# KiCad board mtr_led_system_map.kicad_pcb (continued)
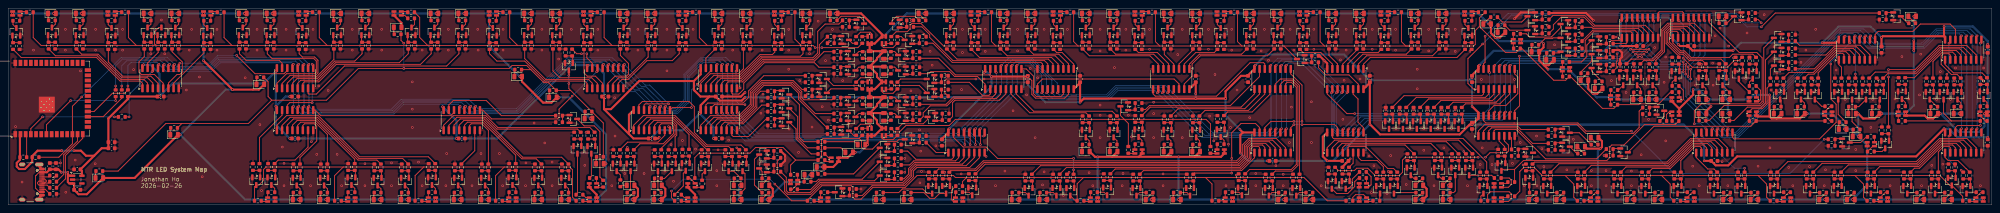
[diagram p0: board, top side]
## Routing (per net, layer and track width the routed paths; a pad name or vN(x,y) marks a point on that pad's centre or on a via; arc(x,y) is an arc through that point) (continued)
Net-(D_KTL_TIK_YAT1-K): length 1.7
  Top w0.2: D_KTL_TIK_YAT1.1 419.46,27.49 R239.2
Net-(D_KTL_WHA1-K1): length 1.4
  Top w0.2: R65.2 295.8,14.82 D_KTL_WHA1.2
Net-(D_KTL_WHA1-K2): length 1.6
  Top w0.2: D_KTL_WHA1.3 294.25,12.62 294.2,12.67
Net-(D_KTL_WHA_HOM1-K): length 1.7
  Top w0.2: R79.2 289.76,14.69 D_KTL_WHA_HOM1.1
Net-(D_KTL_WTS1-K1): length 1.4
  Top w0.2: R33.2 297.6,45.27 D_KTL_WTS1.2
Net-(D_KTL_WTS1-K2): length 1.6
  Top w0.2: R47.2 299,47.47 D_KTL_WTS1.3
Net-(D_KTL_WTS_DIH1-K): length 1.7
  Top w0.2: D_KTL_WTS_DIH1.1 302.96,45.41 R46.2
Net-(D_KTL_WTS_LOF1-K): length 1.7
  Top w0.2: D_KTL_WTS_LOF1.1 289.76,45.41 R48.2
Net-(D_KTL_YAT1-K1): length 4.9
  Top w0.2: D_KTL_YAT1.2 409.42,25.42 409.9,25.9 409.9,28.12 R227.2
Net-(D_KTL_YAT1-K2): length 1.4
  Top w0.2: D_KTL_YAT1.3 408.9,27.62 R241.2
Net-(D_KTL_YAT_LAT1-K): length 1.7
  Top w0.2: R242.2 401.46,27.49 D_KTL_YAT_LAT1.1
Net-(D_KTL_YAT_TIK1-K): length 1.7
  Top w0.2: R240.2 413.66,27.49 D_KTL_YAT_TIK1.1
Net-(D_KTL_YMT1-K1): length 5
  Top w0.2: D_KTL_YMT1.2 213.83,16.37 214.2,16 216.53,16 217.6,17.07
Net-(D_KTL_YMT1-K2): length 1.4
  Top w0.2: 216.1,17.07 216.03,17 D_KTL_YMT1.3
Net-(D_KTL_YMT_HOM1-K): length 1.7
  Top w0.2: R236.2 262.76,14.69 D_KTL_YMT_HOM1.1
Net-(D_KTL_YMT_MOK1-K): length 1.7
  Top w0.2: D_KTL_YMT_MOK1.1 215.89,20.66 R234.2
Net-(D_TCL_HOK1-K): length 1.7
  Top w0.2: R150.2 143.86,11.69 D_TCL_HOK1.1
Net-(D_TCL_KOW1-K): length 1.7
  Top w0.2: D_TCL_KOW1.1 141.06,22.79 R149.2
Net-(D_TCL_LAK1-K): length 1.7
  Top w0.2: D_TCL_LAK1.1 94.36,42.01 R146.2
Net-(D_TCL_NAC1-K): length 1.7
  Top w0.2: D_TCL_NAC1.1 123.86,33.09 R147.2
Net-(D_TCL_OLY1-K): length 1.7
  Top w0.2: D_TCL_OLY1.1 132.36,27.99 R148.2
Net-(D_TCL_SUN1-K): length 1.7
  Top w0.2: R144.2 39.66,18.79 D_TCL_SUN1.1
Net-(D_TCL_TSY1-K): length 1.7
  Top w0.2: D_TCL_TSY1.1 60.76,31.19 R145.2
Net-(D_TCL_TUC1-K): length 1.7
  Top w0.2: 21.48,8.3 21.36,8.19 D_TCL_TUC1.1
Net-(D_TKL_HAH1-K1): length 1.4
  Top w0.2: D_TKL_HAH1.2 462.5,24.12 R68.2
Net-(D_TKL_HAH1-K2): length 1.4
  Top w0.2: R87.2 462.5,20.67 D_TKL_HAH1.3
Net-(D_TKL_HAH_POA1-K): length 1.7
  Top w0.2: D_TKL_HAH_POA1.1 470.36,23.99 R86.2
Net-(D_TKL_HAH_TKO1-K): length 1.7
  Top w0.2: R88.2 456.06,23.99 D_TKL_HAH_TKO1.1
Net-(D_TKL_LHP1-K1): length 2.3
  Top w0.2: D_TKL_LHP1.2 456.3,14.42 R69.2
Net-(D_TKL_LHP1-K2): length 1.4
  Top w0.2: D_TKL_LHP1.3 456.7,16.62 R90.2
Net-(D_TKL_LHP_TKO1-K): length 1.7
  Top w0.2: D_TKL_LHP_TKO1.1 451.36,18.39 R53.2
Net-(D_TKL_NOP1-K1): length 5
  Top w0.2: 332.4,4.32 332.92,4.32 333.5,4.9 333.5,6.92 R126.2
Net-(D_TKL_NOP1-K2): length 1.4
  Top w0.2: D_TKL_NOP1.3 332.4,6.52 R141.2
Net-(D_TKL_NOP_QUB1-K): length 2.5
  Top w0.2: D_TKL_NOP_QUB1.1 346.06,6.5 R139.2
Net-(D_TKL_POA1-K1): length 1.4
  Top w0.2: R67.2 482.5,24.12 D_TKL_POA1.2
Net-(D_TKL_POA1-K2): length 2.3
  Top w0.2: D_TKL_POA1.3 483.82,20.6 R84.2
Net-(D_TKL_POA_HAH1-K): length 1.7
  Top w0.2: R85.2 476.06,23.99 D_TKL_POA_HAH1.1
Net-(D_TKL_QUB1-K1): length 6.5
  Top w0.2: 365.4,4.32 367.12,4.32 367.8,5 367.8,6.1 367.3,6.6 R125.2
Net-(D_TKL_QUB1-K2): length 1.7
  Top w0.2: R136.2 366.65,5.27 D_TKL_QUB1.3
Net-(D_TKL_QUB_NOP1-K): length 2.5
  Top w0.2: D_TKL_QUB_NOP1.1 352.76,6.5 R138.2
Net-(D_TKL_QUB_YAT1-K): length 2.5
  Top w0.2: R198.2 385.66,12.6 D_TKL_QUB_YAT1.1
Net-(D_TKL_TIK1-K1): length 10.2
  Top w0.2: D_TKL_TIK1.2 426.72,23.6 429.2,23.6 430.4,24.8 430.4,28.67 R36.2
Net-(D_TKL_TIK1-K2): length 1.4
  Top w0.2: R58.2 426,20.67 D_TKL_TIK1.3
Net-(D_TKL_TIK_TKO1-K): length 1.7
  Top w0.2: D_TKL_TIK_TKO1.1 432.06,23.99 R57.2
Net-(D_TKL_TIK_YAT1-K): length 1.7
  Top w0.2: R59.2 419.46,20.81 D_TKL_TIK_YAT1.1
Net-(D_TKL_TKO1-K1): length 2.3
  Top w0.2: D_TKL_TKO1.2 445.82,24.2 R35.2
Net-(D_TKL_TKO1-K2): length 2.3
  Top w0.2: R55.2 445.82,20.6 D_TKL_TKO1.3
Net-(D_TKL_TKO_HAH1-K): length 1.7
  Top w0.2: R89.2 450.26,23.99 D_TKL_TKO_HAH1.1
Net-(D_TKL_TKO_LHP1-K): length 1.7
  Top w0.2: D_TKL_TKO_LHP1.1 447.96,20.19 R54.2
Net-(D_TKL_TKO_TIK1-K): length 1.7
  Top w0.2: D_TKL_TKO_TIK1.1 437.76,23.99 R56.2
Net-(D_TKL_YAT1-K1): length 3.2
  Top w0.2: D_TKL_YAT1.2 406.47,22.87 405.82,22.22 R188.2
Net-(D_TKL_YAT1-K2): length 1.4
  Top w0.2: R196.2 407.1,20.67 D_TKL_YAT1.3
Net-(D_TKL_YAT_QUB1-K): length 2.5
  Top w0.2: D_TKL_YAT_QUB1.1 388.96,14.8 R197.2
Net-(D_TKL_YAT_TIK1-K): length 1.7
  Top w0.2: R60.2 413.66,20.81 D_TKL_YAT_TIK1.1
Net-(D_TWL_ADM1-K1): length 1.7
  Top w0.2: 169.8,4.38 169.75,4.32 168.1,4.32
Net-(D_TWL_ADM1-K2): length 2.3
  Top w0.2: D_TWL_ADM1.3 166.78,6.6 R158.2
Net-(D_TWL_ADM_CEN1-K): length 1.7
  Top w0.2: D_TWL_ADM_CEN1.1 158.06,6.39 R160.2
Net-(D_TWL_ADM_TST1-K): length 1.7
  Top w0.2: D_TWL_ADM_TST1.1 177.56,6.39 R157.2
Net-(D_TWL_CEN1-K1): length 1.6
  Top w0.2: 144,4.32 145.55,4.32 145.6,4.38
Net-(D_TWL_CEN1-K2): length 1.4
  Top w0.2: D_TWL_CEN1.3 144,6.52 R99.2
Net-(D_TWL_CEN_ADM1-K): length 1.7
  Top w0.2: R163.2 150.12,4.8 D_TWL_CEN_ADM1.1
Net-(D_TWL_CSW1-K1): length 1.4
  Top w0.2: D_TWL_CSW1.2 165.9,45.27 R123.2
Net-(D_TWL_CSW1-K2): length 1.6
  Top w0.2: R134.2 167.3,47.47 D_TWL_CSW1.3
Net-(D_TWL_CSW_LCK1-K): length 1.7
  Top w0.2: R133.2 156.46,45.41 D_TWL_CSW_LCK1.1
Net-(D_TWL_CSW_SSP1-K): length 1.7
  Top w0.2: R175.2 172.86,45.41 D_TWL_CSW_SSP1.1
Net-(D_TWL_JOR1-K1): length 2
  Top w0.2: R187.2 200.75,11.57 D_TWL_JOR1.2
Net-(D_TWL_JOR1-K2): length 1.7
  Top w0.2: R195.2 200.2,10.62 D_TWL_JOR1.3
Net-(D_TWL_JOR_TST1-K): length 1.8
  Top w0.2: R205.2 197.86,7.91 D_TWL_JOR_TST1.1
Net-(D_TWL_JOR_YMT1-K): length 5.5
  Top w0.2: D_TWL_JOR_YMT1.1 203.76,14 R194.2
Net-(D_TWL_KWF1-K1): length 1.4
  Top w0.2: D_TWL_KWF1.2 72.9,45.27 R31.2
Net-(D_TWL_KWF1-K2): length 1.6
  Top w0.2: D_TWL_KWF1.3 74.3,47.47 R39.2
Net-(D_TWL_KWF_KWH1-K): length 1.7
  Top w0.2: D_TWL_KWF_KWH1.1 63.26,45.41 R38.2
Net-(D_TWL_KWF_LAK1-K): length 1.7
  Top w0.2: 79.68,45.3 79.56,45.41 D_TWL_KWF_LAK1.1
Net-(D_TWL_KWH1-K1): length 1.4
  Top w0.2: D_TWL_KWH1.2 49.6,45.27 R3.2
Net-(D_TWL_KWH1-K2): length 1.6
  Top w0.2: D_TWL_KWH1.3 51,47.47 51.18,47.3
Net-(D_TWL_KWH_KWF1-K): length 1.7
  Top w0.2: R37.2 56.46,45.41 D_TWL_KWH_KWF1.1
Net-(D_TWL_KWH_TWH1-K): length 1.7
  Top w0.2: D_TWL_KWH_TWH1.1 39.96,45.41 R14.2
Net-(D_TWL_LAK1-K1): length 1.9
  Top w0.2: D_TWL_LAK1.2 97.05,46.52 R32.2
Net-(D_TWL_LAK1-K2): length 1.6
  Top w0.2: D_TWL_LAK1.3 97.6,47.47 R42.2
Net-(D_TWL_LAK_KWF1-K): length 1.7
  Top w0.2: R41.2 86.46,45.41 D_TWL_LAK_KWF1.1
Net-(D_TWL_LAK_MEF1-K): length 1.7
  Top w0.2: D_TWL_LAK_MEF1.1 103.36,45.41 R43.2
Net-(D_TWL_LCK1-K1): length 1.4
  Top w0.2: R122.2 142.6,45.27 D_TWL_LCK1.2
Net-(D_TWL_LCK1-K2): length 1.6
  Top w0.2: R131.2 144,47.47 D_TWL_LCK1.3
Net-(D_TWL_LCK_CSW1-K): length 1.7
  Top w0.2: D_TWL_LCK_CSW1.1 149.66,45.41 R132.2
Net-(D_TWL_LCK_MEF1-K): length 1.7
  Top w0.2: D_TWL_LCK_MEF1.1 133.16,45.41 R130.2
Net-(D_TWL_MEF1-K1): length 1.4
  Top w0.2: D_TWL_MEF1.2 119.5,45.27 R121.2
Net-(D_TWL_MEF1-K2): length 1.6
  Top w0.2: D_TWL_MEF1.3 120.9,47.47 R128.2
Net-(D_TWL_MEF_LAK1-K): length 1.7
  Top w0.2: D_TWL_MEF_LAK1.1 110.16,45.41 R44.2
Net-(D_TWL_MEF_LCK1-K): length 1.7
  Top w0.2: R129.2 126.26,45.41 D_TWL_MEF_LCK1.1
Net-(D_TWL_MOK1-K1): length 5
  Top w0.2: 207.5,30.12 208.58,31.2 210.9,31.2 211.28,30.82 D_TWL_MOK1.2
Net-(D_TWL_MOK1-K2): length 1.4
  Top w0.2: D_TWL_MOK1.3 209.08,30.2 209,30.12
Net-(D_TWL_MOK_PRE1-K): length 1.7
  Top w0.2: D_TWL_MOK_PRE1.1 209.21,32.06 209.1,32.17
Net-(D_TWL_MOK_YMT1-K): length 1.7
  Top w0.2: D_TWL_MOK_YMT1.1 209.21,24.56 209.1,24.67
Net-(D_TWL_PRE1-K1): length 5
  Top w0.2: D_TWL_PRE1.2 211.28,42.02 210.9,42.4 208.58,42.4 R172.2
Net-(D_TWL_PRE1-K2): length 1.4
  Top w0.2: R180.2 209.08,41.4 D_TWL_PRE1.3
Net-(D_TWL_PRE_MOK1-K): length 1.7
  Top w0.2: D_TWL_PRE_MOK1.1 209.21,35.86 R181.2
Net-(D_TWL_PRE_SSP1-K): length 1.7
  Top w0.2: R179.2 201.06,45.41 D_TWL_PRE_SSP1.1
Net-(D_TWL_SSP1-K1): length 1.4
  Top w0.2: R171.2 189.3,45.27 D_TWL_SSP1.2
Net-(D_TWL_SSP1-K2): length 1.6
  Top w0.2: D_TWL_SSP1.3 190.7,47.47 R177.2
Net-(D_TWL_SSP_CSW1-K): length 1.7
  Top w0.2: D_TWL_SSP_CSW1.1 179.76,45.41 R176.2
Net-(D_TWL_SSP_PRE1-K): length 1.7
  Top w0.2: R178.2 194.36,45.41 D_TWL_SSP_PRE1.1
Net-(D_TWL_TST1-K1): length 2.3
  Top w0.2: R201.2 191.88,3.8 D_TWL_TST1.2
Net-(D_TWL_TST1-K2): length 1.4
  Top w0.2: R207.2 193.2,7.32 D_TWL_TST1.3
Net-(D_TWL_TST_ADM1-K): length 2.5
  Top w0.2: D_TWL_TST_ADM1.1 186.06,6.5 R208.2
Net-(D_TWL_TST_JOR1-K): length 1.7
  Top w0.2: R206.2 194.86,5.79 D_TWL_TST_JOR1.1
Net-(D_TWL_TSW1-K1): length 1.4
  Top w0.2: R1.2 2.9,45.27 D_TWL_TSW1.2
Net-(D_TWL_TSW1-K2): length 1.6
  Top w0.2: D_TWL_TSW1.3 4.3,47.47 4.48,47.3
Net-(D_TWL_TSW_TWH1-K): length 1.7
  Top w0.2: 9.88,45.3 9.76,45.41 D_TWL_TSW_TWH1.1
Net-(D_TWL_TWH1-K1): length 1.4
  Top w0.2: R2.2 26.2,45.27 D_TWL_TWH1.2
Net-(D_TWL_TWH1-K2): length 1.6
  Top w0.2: D_TWL_TWH1.3 27.6,47.47 R12.2
Net-(D_TWL_TWH_KWH1-K): length 1.7
  Top w0.2: D_TWL_TWH_KWH1.1 33.16,45.41 R13.2
Net-(D_TWL_TWH_TSW1-K): length 1.7
  Top w0.2: R11.2 16.56,45.41 D_TWL_TWH_TSW1.1
Net-(D_TWL_YMT1-K1): length 5
  Top w0.2: D_TWL_YMT1.2 211.28,19.42 210.9,19.8 208.58,19.8 R186.2
Net-(D_TWL_YMT1-K2): length 1.4
  Top w0.2: R192.2 209.08,18.8 D_TWL_YMT1.3
Net-(D_TWL_YMT_JOR1-K): length 8.3
  Top w0.2: R193.2 207.16,15.5 D_TWL_YMT_JOR1.1
Net-(D_TWL_YMT_MOK1-K): length 1.7
  Top w0.2: D_TWL_YMT_MOK1.1 209.21,20.66 R191.2
Net-(J1-CC1): length 2.1
  Top w0.2: R184.1 9.82,6.85 J1.A5
Net-(J1-CC2): length 2.4
  Top w0.2: R183.1 9.02,3.85 J1.B5
Net-(J1-D+-PadA6): length 4.9
  Top w0.2: J1.A6 7.55,5.85 7.2,5.5 7.2,5.2 7.55,4.85 J1.B6 9.52,4.85 R200.1
Net-(J1-D--PadA7): length 4.8
  Top w0.2: 8.93,5.35 8.9,5.35 ; 8.93,5.35 9.82,5.35 R199.1 ; 8.93,5.35 J1.A7 8.95,5.35 9.3,5.7 9.3,6 8.95,6.35 J1.B7
Net-(Q1-G): length 3.4
  Top w0.2: R246.1 R245.2 39.95,40.07 Q1.1
Net-(Q2-G): length 3.4
  Top w0.2: R248.1 R247.2 47.75,39.97 Q2.1
Net-(Q3-G): length 3.4
  Top w0.2: Q3.1 16.55,40.07 R249.2 R250.1
Net-(Q4-G): length 3.4
  Top w0.2: R252.1 R251.2 24.35,39.97 Q4.1
Net-(Q5-G): length 3.4
  Top w0.2: R254.1 R253.2 33.15,40.07 Q5.1
Net-(Q6-G): length 3.4
  Top w0.2: R256.1 R255.2 9.75,40.07 Q6.1
Net-(Q7-G): length 3.4
  Top w0.2: Q7.1 1.05,39.97 R257.2 R258.1
Net-(Q8-G): length 3.4
  Top w0.2: R260.1 R259.2 36.55,40.07 Q8.1
Net-(Q9-G): length 3.4
  Top w0.2: R262.1 R261.2 103.35,40.07 Q9.1
Net-(Q10-G): length 3.4
  Top w0.2: Q10.1 110.15,40.07 R263.2 R264.1
Net-(Q11-G): length 3.4
  Top w0.2: Q11.1 79.55,40.07 R265.2 R266.1
Net-(Q12-G): length 3.4
  Top w0.2: R268.1 R267.2 86.45,40.07 Q12.1
Net-(Q13-G): length 3.4
  Top w0.2: R270.1 R269.2 97.75,40.07 Q13.1
Net-(Q14-G): length 3.4
  Top w0.2: R272.1 R271.2 71.05,39.97 Q14.1
Net-(Q15-G): length 3.4
  Top w0.2: R274.1 R273.2 63.25,40.07 Q15.1
Net-(Q16-G): length 3.4
  Top w0.2: R276.1 R275.2 56.45,40.07 Q16.1
Net-(Q17-G): length 3.4
  Top w0.2: R278.1 R277.2 156.45,40.07 Q17.1
Net-(Q18-G): length 3.4
  Top w0.2: R280.1 R279.2 164.05,39.97 Q18.1
Net-(Q19-G): length 3.4
  Top w0.2: R282.1 R281.2 133.15,40.07 Q19.1
Net-(Q20-G): length 3.4
  Top w0.2: R284.1 R283.2 140.75,39.97 Q20.1
Net-(Q21-G): length 3.4
  Top w0.2: Q21.1 149.65,40.07 R285.2 R286.1
Net-(Q22-G): length 3.4
  Top w0.2: R288.1 R287.2 126.25,40.07 Q22.1
Net-(Q23-G): length 3.4
  Top w0.2: Q23.1 117.65,39.97 R289.2 R290.1
Net-(Q24-G): length 3.4
  Top w0.2: 136.4,36.57 138,36.57 138.15,36.42 Q24.1
Net-(Q25-G): length 3.4
  Top w0.2: Q25.1 203.88,37.75 R293.2 R294.1
Net-(Q26-G): length 3.4
  Top w0.2: R296.1 R295.2 203.88,33.95 Q26.1
Net-(Q27-G): length 3.4
  Top w0.2: R298.1 R297.2 194.35,40.07 Q27.1
Net-(Q28-G): length 3.4
  Top w0.2: R300.1 R299.2 205.97,45.45 Q28.1
Net-(Q29-G): length 3.4
  Top w0.2: R302.1 R301.2 202.28,41.45 Q29.1
Net-(Q30-G): length 3.4
  Top w0.2: Q30.1 187.45,39.97 R303.2 R304.1
Net-(Q31-G): length 3.4
  Top w0.2: R306.1 R305.2 179.75,40.07 Q31.1
Net-(Q32-G): length 3.4
  Top w0.2: R308.1 R307.2 172.85,40.07 Q32.1
Net-(Q33-G): length 3.4
  Top w0.2: Q33.1 187.68,24.65 R309.2 R310.1
Net-(Q34-G): length 3.4
  Top w0.2: Q34.1 187.68,21.25 R311.2 R312.1
Net-(Q35-G): length 3.4
  Top w0.2: R314.1 R313.2 203.88,22.55 Q35.1
Net-(Q36-G): length 3.4
  Top w0.2: Q36.1 202.28,19.15 R315.2 R316.1
Net-(Q37-G): length 3.4
  Top w0.2: Q37.1 187.68,28.05 R317.2 R318.1
Net-(Q38-G): length 3.4
  Top w0.2: R320.1 R319.2 203.88,26.45 Q38.1
Net-(Q39-G): length 3.4
  Top w0.2: R322.1 R321.2 196.88,28.45 Q39.1
Net-(Q40-G): length 3.4
  Top w0.2: R324.1 R323.2 196.88,31.85 Q40.1
Net-(Q41-G): length 3.4
  Top w0.2: Q41.1 153.25,11.72 R325.2 R326.1
Net-(Q42-G): length 3.4
  Top w0.2: Q42.1 149.85,11.72 R327.2 R328.1
Net-(Q43-G): length 3.4
  Top w0.2: R330.1 R329.2 166.75,11.82 Q43.1
Net-(Q44-G): length 3.4
  Top w0.2: R332.1 R331.2 163.35,11.72 Q44.1
Net-(Q45-G): length 3.4
  Top w0.2: R334.1 R333.2 159.95,11.72 Q45.1
Net-(Q46-G): length 3.4
  Top w0.2: Q46.1 171.45,11.72 R335.2 R336.1
Net-(Q47-G): length 3.4
  Top w0.2: Q47.1 177.25,11.72 R337.2 R338.1
Net-(Q48-G): length 3.4
  Top w0.2: Q48.1 180.65,11.72 R339.2 R340.1
Net-(Q49-G): length 3.4
  Top w0.2: 115.9,8.38 117.5,8.38 117.65,8.22 Q49.1
Net-(Q50-G): length 3.4
  Top w0.2: Q50.1 111.05,8.22 110.9,8.38 109.3,8.38
Net-(Q51-G): length 3.4
  Top w0.2: 135.5,8.38 137.1,8.38 137.25,8.22 Q51.1
Net-(Q52-G): length 3.4
  Top w0.2: Q52.1 130.65,8.22 130.5,8.38 128.9,8.38
Net-(Q53-G): length 3.4
  Top w0.2: R350.1 R349.2 124.35,8.32 Q53.1
Net-(Q54-G): length 3.4
  Top w0.2: Q54.1 140.25,16.02 140.1,16.17 138.5,16.17
Net-(Q55-G): length 3.4
  Top w0.2: Q55.1 143.65,16.02 143.5,16.17 141.9,16.17
Net-(Q56-G): length 3.4
  Top w0.2: Q56.1 135.78,22.05 R355.2 R356.1
Net-(Q57-G): length 3.4
  Top w0.2: 69.8,8.38 71.4,8.38 71.55,8.22 Q57.1
Net-(Q58-G): length 3.4
  Top w0.2: R360.1 R359.2 65.35,8.32 Q58.1
Net-(Q59-G): length 3.4
  Top w0.2: 89.6,8.38 91.2,8.38 91.35,8.22 Q59.1
Net-(Q60-G): length 3.4
  Top w0.2: R364.1 R363.2 84.95,8.32 Q60.1
Net-(Q61-G): length 3.4
  Top w0.2: 76.5,8.38 78.1,8.38 78.25,8.22 Q61.1
Net-(Q62-G): length 3.4
  Top w0.2: 96.3,8.38 97.9,8.38 98.05,8.22 Q62.1
Net-(Q63-G): length 3.4
  Top w0.2: R370.1 R369.2 104.65,8.32 Q63.1
Net-(Q64-G): length 3.4
  Top w0.2: Q64.1 61.65,8.32 R371.2 R372.1
Net-(Q65-G): length 3.4
  Top w0.2: Q65.1 441.85,6.22 441.7,6.38 440.1,6.38
Net-(Q66-G): length 3.4
  Top w0.2: 431.3,6.38 432.9,6.38 433.05,6.22 Q66.1
Net-(Q67-G): length 3.4
  Top w0.2: Q67.1 465.65,6.22 465.5,6.38 463.9,6.38
Net-(Q68-G): length 3.4
  Top w0.2: 455,6.38 456.6,6.38 456.75,6.22 Q68.1
Net-(Q69-G): length 3.4
  Top w0.2: 446.9,6.38 448.5,6.38 448.65,6.22 Q69.1
Net-(Q70-G): length 3.4
  Top w0.2: 470.7,6.38 472.3,6.38 472.45,6.22 Q70.1
Net-(Q71-G): length 3.4
  Top w0.2: 478.4,6.38 480,6.38 480.15,6.22 Q71.1
Net-(Q72-G): length 3.4
  Top w0.2: Q72.1 476.55,8.22 476.4,8.38 474.8,8.38
Net-(Q73-G): length 3.4
  Top w0.2: Q73.1 352.45,22.12 R389.2 R390.1
Net-(Q74-G): length 3.4
  Top w0.2: Q74.1 355.85,22.12 R391.2 R392.1
Net-(Q75-G): length 3.4
  Top w0.2: R394.1 R393.2 342.25,22.12 Q75.1
Net-(Q76-G): length 3.4
  Top w0.2: Q76.1 345.65,22.12 R395.2 R396.1
Net-(Q77-G): length 3.4
  Top w0.2: R398.1 R397.2 349.05,22.12 Q77.1
Net-(Q78-G): length 3.4
  Top w0.2: Q78.1 338.85,22.12 R399.2 R400.1
Net-(Q79-G): length 3.4
  Top w0.2: Q79.1 459.67,47.25 R401.2 R402.1
Net-(Q80-G): length 3.4
  Top w0.2: R404.1 R403.2 425.72,45.35 Q80.1
Net-(Q81-G): length 3.4
  Top w0.2: 375.8,6.38 377.4,6.38 377.55,6.22 Q81.1
Net-(Q82-G): length 3.4
  Top w0.2: Q82.1 373.15,8.22 373,8.38 371.4,8.38
Net-(Q83-G): length 3.4
  Top w0.2: 399.8,6.38 401.4,6.38 401.55,6.22 Q83.1
Net-(Q84-G): length 3.4
  Top w0.2: Q84.1 394.75,6.22 394.6,6.38 393,6.38
Net-(Q85-G): length 3.4
  Top w0.2: Q85.1 385.85,6.22 385.7,6.38 384.1,6.38
Net-(Q86-G): length 3.4
  Top w0.2: 407.7,6.38 409.3,6.38 409.45,6.22 Q86.1
Net-(Q87-G): length 3.4
  Top w0.2: 416.6,6.38 418.2,6.38 418.35,6.22 Q87.1
Net-(Q88-G): length 3.4
  Top w0.2: Q88.1 425.05,6.22 424.9,6.38 423.3,6.38
Net-(Q89-G): length 3.4
  Top w0.2: Q89.1 328.25,7.42 R421.2 R422.1
Net-(Q90-G): length 3.4
  Top w0.2: 334.9,6.38 336.5,6.38 336.65,6.22 Q90.1
Net-(Q91-G): length 3.4
  Top w0.2: Q91.1 350.85,10.72 R425.2 R426.1
Net-(Q92-G): length 3.4
  Top w0.2: Q92.1 344.15,10.72 R427.2 R428.1
Net-(Q93-G): length 3.4
  Top w0.2: 338.3,6.38 339.9,6.38 340.05,6.22 Q93.1
Net-(Q94-G): length 3.4
  Top w0.2: R432.1 R431.2 355.05,10.72 Q94.1
Net-(Q95-G): length 3.4
  Top w0.2: Q95.1 358.45,10.72 R433.2 R434.1
Net-(Q96-G): length 3.4
  Top w0.2: Q96.1 361.95,6.22 361.8,6.38 360.2,6.38
Net-(Q97-G): length 3.4
  Top w0.2: 228.7,6.38 230.3,6.38 230.45,6.22 Q97.1
Net-(Q98-G): length 3.4
  Top w0.2: Q98.1 227.05,6.22 226.9,6.38 225.3,6.38
Net-(Q99-G): length 3.4
  Top w0.2: Q99.1 257.45,5.72 257.3,5.88 255.7,5.88
Net-(Q100-G): length 3.4
  Top w0.2: 248.9,5.88 250.5,5.88 250.65,5.72 Q100.1
Net-(Q101-G): length 3.4
  Top w0.2: Q101.1 236.85,5.82 R445.2 R446.1
Net-(Q102-G): length 3.4
  Top w0.2: R448.1 R447.2 269.85,5.82 Q102.1
Net-(Q103-G): length 3.4
  Top w0.2: Q103.1 277.05,5.72 276.9,5.88 275.3,5.88
Net-(Q104-G): length 3.4
  Top w0.2: 288.4,5.88 290,5.88 290.15,5.72 Q104.1
Net-(Q105-G): length 3.5
  Top w0.2: R454.1 R453.2 187.22,11.4 Q105.1
Net-(Q106-G): length 3.4
  Top w0.2: Q106.1 205.72,2.15 R455.2 R456.1
Net-(Q107-G): length 3.4
  Top w0.2: R458.1 R457.2 216.72,9.65 Q107.1
Net-(Q108-G): length 3.4
  Top w0.2: Q108.1 216.72,6.25 R459.2 R460.1
Net-(Q109-G): length 3.4
  Top w0.2: Q109.1 187.22,8 R461.2 R462.1
Net-(Q110-G): length 3.4
  Top w0.2: R464.1 R463.2 216.72,13.05 Q110.1
Net-(Q111-G): length 3.4
  Top w0.2: R466.1 R465.2 222.83,15.15 Q111.1
Net-(Q112-G): length 3.4
  Top w0.2: 259.1,5.88 260.7,5.88 260.85,5.72 Q112.1
Net-(Q113-G): length 3.4
  Top w0.2: Q113.1 399.55,32.82 R469.2 R470.1
Net-(Q114-G): length 3.4
  Top w0.2: Q114.1 396.15,32.82 R471.2 R472.1
Net-(Q115-G): length 3.4
  Top w0.2: Q115.1 415.55,32.82 R473.2 R474.1
Net-(Q116-G): length 3.4
  Top w0.2: 407.2,34.57 408.8,34.57 408.95,34.42 Q116.1
Net-(Q117-G): length 3.4
  Top w0.2: Q117.1 403.35,32.82 R477.2 R478.1
Net-(Q118-G): length 3.4
  Top w0.2: Q118.1 420.45,32.82 R479.2 R480.1
Net-(Q119-G): length 3.4
  Top w0.2: 426.1,34.57 427.7,34.57 427.85,34.42 Q119.1
Net-(Q120-G): length 3.4
  Top w0.2: Q120.1 424.45,34.42 424.3,34.57 422.7,34.57
Net-(Q121-G): length 3.4
  Top w0.2: R486.1 R485.2 375.22,41.95 Q121.1
Net-(Q122-G): length 3.4
  Top w0.2: R488.1 R487.2 375.22,45.35 Q122.1
Net-(Q123-G): length 3.4
  Top w0.2: R490.1 R489.2 383.32,36.65 Q123.1
Net-(Q124-G): length 3.4
  Top w0.2: R492.1 R491.2 383.32,40.05 Q124.1
Net-(Q125-G): length 3.4
  Top w0.2: R494.1 R493.2 383.32,43.45 Q125.1
Net-(Q126-G): length 3.4
  Top w0.2: R496.1 R495.2 390.92,39.45 Q126.1
Net-(Q127-G): length 3.4
  Top w0.2: Q127.1 390.92,36.05 R497.2 R498.1
Net-(Q128-G): length 3.4
  Top w0.2: Q128.1 390.92,32.65 R499.2 R500.1
Net-(Q129-G): length 3.4
  Top w0.2: Q129.1 323.05,40.07 R501.2 R502.1
Net-(Q130-G): length 3.4
  Top w0.2: R504.1 R503.2 315.95,39.97 Q130.1
Net-(Q131-G): length 3.4
  Top w0.2: R506.1 R505.2 343.25,40.07 Q131.1
Net-(Q132-G): length 3.4
  Top w0.2: Q132.1 335.85,39.97 R507.2 R508.1
Net-(Q133-G): length 3.4
  Top w0.2: Q133.1 329.85,40.07 R509.2 R510.1
Net-(Q134-G): length 3.4
  Top w0.2: R512.1 R511.2 350.05,40.07 Q134.1
Net-(Q135-G): length 3.4
  Top w0.2: R514.1 R513.2 356.35,39.97 Q135.1
Net-(Q136-G): length 3.4
  Top w0.2: Q136.1 318.82,34.85 R515.2 R516.1
Net-(Q137-G): length 3.4
  Top w0.2: Q137.1 269.55,40.07 R517.2 R518.1
Net-(Q138-G): length 3.4
  Top w0.2: Q138.1 262.75,40.07 R519.2 R520.1
Net-(Q139-G): length 3.4
  Top w0.2: Q139.1 289.75,40.07 R521.2 R522.1
Net-(Q140-G): length 3.4
  Top w0.2: R524.1 R523.2 282.75,40.07 Q140.1
Net-(Q141-G): length 3.4
  Top w0.2: Q141.1 275.65,39.97 R525.2 R526.1
Net-(Q142-G): length 3.4
  Top w0.2: R528.1 R527.2 295.75,39.97 Q142.1
Net-(Q143-G): length 3.4
  Top w0.2: Q143.1 302.95,40.07 R529.2 R530.1
Net-(Q144-G): length 3.4
  Top w0.2: Q144.1 309.65,40.07 R531.2 R532.1
Net-(Q145-G): length 3.4
  Top w0.2: Q145.1 219.72,43.55 R533.2 R534.1
Net-(Q146-G): length 3.4
  Top w0.2: R536.1 R535.2 222.83,39.55 Q146.1
Net-(Q147-G): length 3.4
  Top w0.2: R538.1 R537.2 242.65,40.07 Q147.1
Net-(Q148-G): length 3.4
  Top w0.2: Q148.1 235.55,39.97 R539.2 R540.1
Net-(Q149-G): length 3.4
  Top w0.2: R542.1 R541.2 229.55,40.07 Q149.1
Net-(Q150-G): length 3.4
  Top w0.2: Q150.1 249.45,40.07 R543.2 R544.1
Net-(Q151-G): length 3.4
  Top w0.2: Q151.1 255.65,39.97 R545.2 R546.1
Net-(Q152-G): length 3.4
  Top w0.2: R548.1 R547.2 228.22,26.55 Q152.1
Net-(Q153-G): length 3.4
  Top w0.2: Q153.1 264.65,20.02 264.5,20.17 262.9,20.17
Net-(Q154-G): length 3.4
  Top w0.2: Q154.1 271.45,20.02 271.3,20.17 269.7,20.17
Net-(Q155-G): length 3.4
  Top w0.2: R554.1 R553.2 221.22,24.55 Q155.1
Net-(Q156-G): length 3.4
  Top w0.2: R556.1 R555.2 221.22,20.65 Q156.1
Net-(Q157-G): length 3.4
  Top w0.2: Q157.1 228.42,20.65 R557.2 R558.1
Net-(Q158-G): length 3.4
  Top w0.2: Q158.1 228.22,29.95 R559.2 R560.1
Net-(Q159-G): length 3.4
  Top w0.2: Q159.1 221.22,32.05 R561.2 R562.1
Net-(Q160-G): length 3.4
  Top w0.2: Q160.1 221.22,35.85 R563.2 R564.1
Net-(Q161-G): length 3.4
  Top w0.2: 307.7,5.88 309.3,5.88 309.45,5.72 Q161.1
Net-(Q162-G): length 3.4
  Top w0.2: Q162.1 302.85,5.82 R567.2 R568.1
Net-(Q163-G): length 3.4
  Top w0.2: Q163.1 291.65,20.02 291.5,20.17 289.9,20.17
Net-(Q164-G): length 3.4
  Top w0.2: Q164.1 297.65,20.12 R571.2 R572.1
Net-(Q165-G): length 3.4
  Top w0.2: 314.4,5.88 316,5.88 316.15,5.72 Q165.1
Net-(Q166-G): length 3.4
  Top w0.2: 282.9,20.17 284.5,20.17 284.65,20.02 Q166.1
Net-(Q167-G): length 3.4
  Top w0.2: R578.1 R577.2 277.55,20.12 Q167.1
Net-(Q168-G): length 3.4
  Top w0.2: Q168.1 275.62,23.25 R579.2 R580.1
Net-(Q169-G): length 3.4
  Top w0.2: R582.1 R581.2 455.55,29.32 Q169.1
Net-(Q170-G): length 3.4
  Top w0.2: R584.1 R583.2 460.25,17.32 Q170.1
Net-(Q171-G): length 3.4
  Top w0.2: R586.1 R585.2 471.15,29.32 Q171.1
Net-(Q172-G): length 3.4
  Top w0.2: Q172.1 464.35,29.42 464.2,29.57 462.6,29.57
Net-(Q173-G): length 3.4
  Top w0.2: R590.1 R589.2 458.95,29.32 Q173.1
Net-(Q174-G): length 3.4
  Top w0.2: R592.1 R591.2 477.95,29.32 Q174.1
Net-(Q175-G): length 3.4
  Top w0.2: Q175.1 484.35,29.42 484.2,29.57 482.6,29.57
Net-(Q176-G): length 3.4
  Top w0.2: Q176.1 474.55,29.32 R595.2 R596.1
Net-(Q177-G): length 3.4
  Top w0.2: Q177.1 435.52,36.65 R597.2 R598.1
Net-(Q178-G): length 3.4
  Top w0.2: R600.1 R599.2 435.52,40.05 Q178.1
Net-(Q179-G): length 3.4
  Top w0.2: R602.1 R601.2 439.65,29.32 Q179.1
Net-(Q180-G): length 3.4
  Top w0.2: Q180.1 434.55,29.32 R603.2 R604.1
Net-(Q181-G): length 3.4
  Top w0.2: R606.1 R605.2 435.52,33.25 Q181.1
Net-(Q182-G): length 3.4
  Top w0.2: R608.1 R607.2 443.05,29.32 Q182.1
Net-(Q183-G): length 3.4
  Top w0.2: Q183.1 448.75,29.32 R609.2 R610.1
Net-(Q184-G): length 3.4
  Top w0.2: Q184.1 452.15,29.32 R611.2 R612.1
Net-(Q185-G): length 3.4
  Top w0.2: Q185.1 324.85,7.42 R613.2 R614.1
Net-(Q186-G): length 3.4
  Top w0.2: R616.1 R615.2 369.67,13.75 Q186.1
Net-(Q187-G): length 3.4
  Top w0.2: R618.1 R617.2 378.67,15.25 Q187.1
Net-(Q188-G): length 3.4
  Top w0.2: Q188.1 392.88,13.85 R619.2 R620.1
Net-(Q189-G): length 3.4
  Top w0.2: R622.1 R621.2 366.35,11.82 Q189.1
Net-(Q190-G): length 3.4
  Top w0.2: R624.1 R623.2 378.67,18.65 Q190.1
Net-(Q191-G): length 3.4
  Top w0.2: R626.1 R625.2 401.77,24.05 Q191.1
Net-(Q192-G): length 3.4
  Top w0.2: R628.1 R627.2 447.17,16.25 Q192.1
Net-(U1-EN): length 5.8
  Top w0.2: U1.3 4.52,17.1 R219.2
Net-(U1-IO4): length 24
  Top w0.2: 26.98,21.6 v1(26,21.6) ; v1(8.4,21.6) 5.55,18.75 U1.4
  Bottom w0.2: v1(26,21.6) v1(8.4,21.6)
Net-(U1-IO7): length 22.7
  Top w0.2: 26.3,26.57 v1(26.3,25.6) ; v1(15.3,25.6) 9.36,19.66 U1.7
  Bottom w0.2: v1(15.3,25.6) v1(26.3,25.6)
Net-(U1-IO9): length 10.6
  Top w0.2: 27.8,26.57 27.8,26.2 23.25,21.65 U1.17
Net-(U1-USB_D+): length 15.8
  Top w0.2: 11.82,4.2 14,6.38 14,12.1 18.25,16.35 U1.14
Net-(U1-USB_D-): length 13.8
  Top w0.2: 11.82,5.7 13.6,7.47 13.6,12.3 16.98,15.68 U1.13

## Copper pours and planes (outline as drawn; the poured copper is in the pictures)
GND on Top, Bottom: -7.6,54.1 -7.6,-9.9 492.4,-9.9 492.4,54.1

## Text on the board
F.Silkscreen: Jonathan Ho / 2026-02-26 | MTR LED System Map
